# KiCad board Keyboard.kicad_pcb (continued)
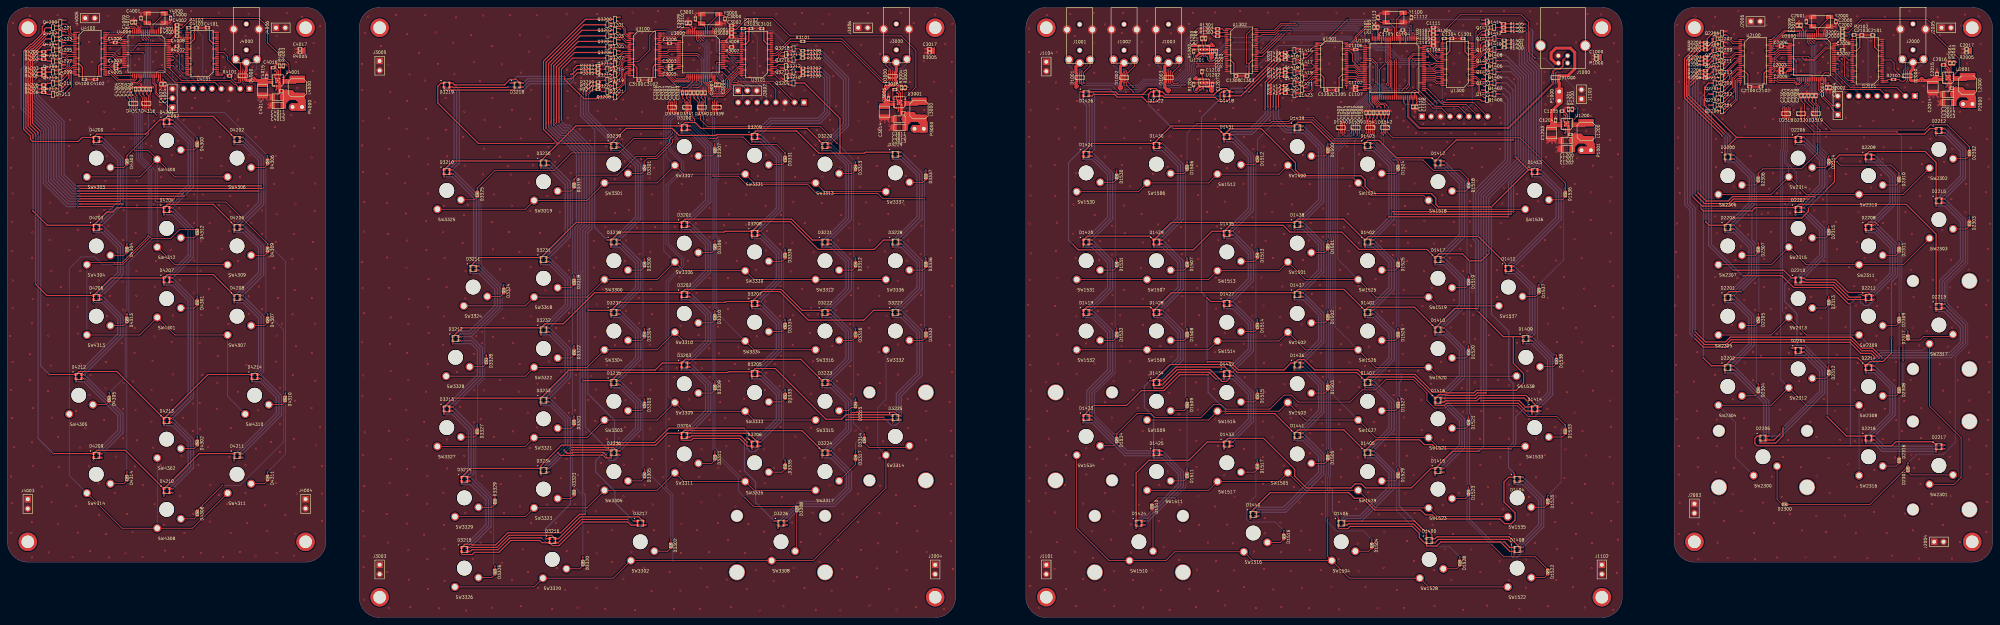
[diagram p0: board, top side]
## Placement (name value [footprint] x y rotation side) (continued)
J4005  Conn_01x02  [Pin_Header_Straight_1x02_Pitch2.54mm]  21.02 162.1 90 top
J4006  Conn_01x02  [Pin_Header_Straight_1x02_Pitch2.54mm]  72.5 159.5 90 top
L1200  2.2uH_5030  [L_Taiyo-Yuden_NR-50xx]  426.25 131.5 270 top
L2000  2.2uH_5030  [L_Taiyo-Yuden_NR-50xx]  529.25 144 270 top
L3000  2.2uH_5030  [L_Taiyo-Yuden_NR-50xx]  246.12 137.32 270 top
L4000  2.2uH_5030  [L_Taiyo-Yuden_NR-50xx]  78.25 143.25 270 top
P1000  Current-Probe  [Current-Probe-2.54]  419 142.27 0 top
P1001  Current-Probe  [Current-Probe-2.54]  427.55 126.38 270 top
P2000  Current-Probe  [Current-Probe-2.54]  530.54 138.88 270 top
P3000  Current-Probe  [Current-Probe-2.54]  247.44 132.18 270 top
P4000  Current-Probe  [Current-Probe-2.54]  79.55 138.07 270 top
Q1400  NTA4151P  [SC-75]  399.5 140.1 270 top
Q1401  NTA4151P  [SC-75]  401.5 141.6 270 top
Q1402  NTA4151P  [SC-75]  399.5 143.1 270 top
Q1403  NTA4151P  [SC-75]  401.5 144.6 270 top
Q1404  NTA4151P  [SC-75]  399.5 146.1 270 top
Q1405  NTA4151P  [SC-75]  401.5 147.6 270 top
Q1406  NTA4151P  [SC-75]  399.5 149.1 270 top
Q1407  NTA4151P  [SC-75]  401.5 150.6 270 top
Q1408  NTA4151P  [SC-75]  399.5 152.1 270 top
Q1409  NTA4153N  [SC-75]  401.5 153.6 270 top
Q1410  NTA4153N  [SC-75]  399.5 155.1 270 top
Q1411  NTA4153N  [SC-75]  401.5 156.6 270 top
Q1412  NTA4153N  [SC-75]  399.45 158.05 270 top
Q1413  NTA4153N  [SC-75]  401.45 159.55 270 top
Q1414  NTA4153N  [SC-75]  399.45 161.05 270 top
Q1415  NTA4153N  [SC-75]  347.5 153.35 90 top
Q1416  NTA4153N  [SC-75]  349.5 151.85 90 top
Q1417  NTA4153N  [SC-75]  347.5 150.35 90 top
Q1418  NTA4153N  [SC-75]  349.5 148.85 90 top
Q1419  NTA4153N  [SC-75]  347.5 147.35 90 top
Q1420  NTA4153N  [SC-75]  349.5 145.85 90 top
Q1421  NTA4153N  [SC-75]  347.5 144.35 90 top
Q1422  NTA4153N  [SC-75]  349.5 142.85 90 top
Q1423  NTA4153N  [SC-75]  347.5 141.35 90 top
Q2200  NTA4151P  [SC-75]  460.94 144.54 90 top
Q2201  NTA4151P  [SC-75]  462.94 143.04 90 top
Q2202  NTA4151P  [SC-75]  460.94 141.54 90 top
Q2203  NTA4151P  [SC-75]  462.94 140.04 90 top
Q2204  NTA4151P  [SC-75]  460.94 138.54 90 top
Q2205  NTA4151P  [SC-75]  462.94 137.04 90 top
Q2206  NTA4153N  [SC-75]  462.94 158.04 90 top
Q2207  NTA4153N  [SC-75]  460.94 156.54 90 top
Q2208  NTA4153N  [SC-75]  462.94 155.04 90 top
Q2209  NTA4153N  [SC-75]  460.94 153.54 90 top
Q2210  NTA4153N  [SC-75]  462.94 152.04 90 top
Q2211  NTA4153N  [SC-75]  460.94 150.54 90 top
Q2212  NTA4153N  [SC-75]  462.94 149.04 90 top
Q2213  NTA4153N  [SC-75]  460.94 147.54 90 top
Q2214  NTA4153N  [SC-75]  462.94 146.04 90 top
Q3200  NTA4151P  [SC-75]  164 161.8 90 top
Q3201  NTA4151P  [SC-75]  162 160.3 90 top
Q3202  NTA4151P  [SC-75]  164 158.8 90 top
Q3203  NTA4151P  [SC-75]  162 157.3 90 top
Q3204  NTA4151P  [SC-75]  164 155.8 90 top
Q3205  NTA4151P  [SC-75]  162 154.3 90 top
Q3206  NTA4151P  [SC-75]  164 152.8 90 top
Q3207  NTA4151P  [SC-75]  162 151.3 90 top
Q3208  NTA4151P  [SC-75]  164 140.8 90 top
Q3209  NTA4151P  [SC-75]  212.25 144.55 270 top
Q3210  NTA4153N  [SC-75]  210.25 146.05 270 top
Q3211  NTA4153N  [SC-75]  212.25 147.55 270 top
Q3212  NTA4153N  [SC-75]  210.25 149.05 270 top
Q3213  NTA4153N  [SC-75]  164 149.8 90 top
Q3214  NTA4153N  [SC-75]  162 148.3 90 top
Q3215  NTA4153N  [SC-75]  164 146.8 90 top
Q3216  NTA4153N  [SC-75]  212.25 150.8 270 top
Q3217  NTA4153N  [SC-75]  210.25 152.3 270 top
Q3218  NTA4153N  [SC-75]  212.25 153.8 270 top
Q3219  NTA4153N  [SC-75]  162 145.3 90 top
Q3220  NTA4153N  [SC-75]  164 143.8 90 top
Q3221  NTA4153N  [SC-75]  162 142.3 90 top
Q4200  NTA4151P  [SC-75]  14.3 161 90 top
Q4201  NTA4151P  [SC-75]  12.3 159.5 90 top
Q4202  NTA4151P  [SC-75]  14.3 158 90 top
Q4203  NTA4151P  [SC-75]  12.3 156.5 90 top
Q4204  NTA4151P  [SC-75]  14.3 155 90 top
Q4205  NTA4153N  [SC-75]  12.3 153.5 90 top
Q4206  NTA4153N  [SC-75]  14.3 152 90 top
Q4207  NTA4153N  [SC-75]  12.3 150.5 90 top
Q4208  NTA4153N  [SC-75]  14.3 149 90 top
Q4209  NTA4153N  [SC-75]  12.3 147.5 90 top
Q4210  NTA4153N  [SC-75]  14.3 146 90 top
Q4211  NTA4153N  [SC-75]  12.3 144.5 90 top
Q4212  NTA4153N  [SC-75]  14.3 143 90 top
Q4213  NTA4153N  [SC-75]  12.3 141.5 90 top
R1000  1.0MR  [R_0402]  429 151 180 top
R1100  10.0kR  [R_0402]  385 156.6 0 top
R1101  10.0kR  [R_0402]  385 157.6 180 top
R1102  0.0R  [R_0402]  385 158.6 180 top
R1200  71.5kR  [R_0402]  422.5 137.45 270 top
R1201  22.6kR  [R_0402]  421.5 137.45 90 top
R1202  10.0kR  [R_0402]  320.3 153.15 90 top
R1203  10.0kR  [R_0402]  326.4 153.15 90 top
R1204  10.0kR  [R_0402]  320.3 144.15 90 top
R1301  100R  [R_0402]  326.75 159.2 180 top
R1302  100R  [R_0402]  326.75 158.2 180 top
R1303  100R  [R_0402]  326.75 157.2 180 top
R1304  10.0kR  [R_0402]  387.98 156.6 180 top
R1400  78.7R  [R_0402]  404.15 154.1 180 top
R1401  300R  [R_0402]  404.15 155.1 180 top
R1402  127R  [R_0402]  404.15 156.1 180 top
R1403  78.7R  [R_0402]  403.95 158.55 180 top
R1404  300R  [R_0402]  403.95 159.55 180 top
R1405  127R  [R_0402]  403.95 160.55 180 top
R1406  78.7R  [R_0402]  345 152.85 0 top
R1407  300R  [R_0402]  345 151.85 0 top
R1408  127R  [R_0402]  345 150.85 0 top
R1409  78.7R  [R_0402]  345 148.35 0 top
R1410  300R  [R_0402]  345 147.35 0 top
R1411  127R  [R_0402]  345 146.35 0 top
R1412  78.7R  [R_0402]  345 143.85 0 top
R1413  300R  [R_0402]  345 142.85 0 top
R1414  127R  [R_0402]  345 141.85 0 top
R2000  10.0kR  [R_0402]  495.44 157.29 180 top
R2001  0.0R  [R_0402]  495.44 158.29 180 top
R2002  10.0kR  [R_0402]  495.44 153.54 180 top
R2003  71.5kR  [R_0402]  525.5 149.95 270 top
R2004  22.6kR  [R_0402]  524.5 149.95 90 top
R2005  1.0MR  [R_0402]  529 152.75 180 top
R2101  100R  [R_0402]  509.25 145.5 0 top
R2102  10.0kR  [R_0402]  498.62 157.54 180 top
R2200  78.7R  [R_0402]  458.44 155.54 0 top
R2201  300R  [R_0402]  458.44 154.54 0 top
R2202  127R  [R_0402]  458.44 153.54 0 top
R2203  78.7R  [R_0402]  458.44 151.54 0 top
R2204  300R  [R_0402]  458.44 150.54 0 top
R2205  127R  [R_0402]  458.44 149.54 0 top
R2206  78.7R  [R_0402]  458.44 147.94 0 top
R2207  300R  [R_0402]  458.44 146.94 0 top
R2208  127R  [R_0402]  458.44 145.94 0 top
R3000  10.0kR  [R_0402]  195.5 158.05 180 top
R3001  0.0R  [R_0402]  195.5 159.05 180 top
R3002  10.0kR  [R_0402]  195.5 154.3 180 top
R3003  71.5kR  [R_0402]  242.38 143.28 270 top
R3004  22.6kR  [R_0402]  241.38 143.28 90 top
R3005  1.0MR  [R_0402]  249 152.75 180 top
R3101  100R  [R_0402]  214.75 155.8 0 top
R3102  10.0kR  [R_0402]  198.68 159.3 180 top
R3200  78.7R  [R_0402]  214.8 146.55 180 top
R3201  300R  [R_0402]  214.8 147.55 180 top
R3202  127R  [R_0402]  214.8 148.55 180 top
R3203  78.7R  [R_0402]  159.45 149.3 0 top
R3204  300R  [R_0402]  159.45 148.3 0 top
R3205  127R  [R_0402]  159.45 147.3 0 top
R3206  78.7R  [R_0402]  214.75 151.3 180 top
R3207  300R  [R_0402]  214.75 152.3 180 top
R3208  127R  [R_0402]  214.75 153.3 180 top
R3209  78.7R  [R_0402]  159.45 144.8 0 top
R3210  300R  [R_0402]  159.45 143.8 0 top
R3211  127R  [R_0402]  159.45 142.8 0 top
R4000  10.0kR  [R_0402]  45.8 158.25 180 top
R4001  0.0R  [R_0402]  45.8 159.25 180 top
R4002  10.0kR  [R_0402]  45.8 154.5 180 top
R4003  71.5kR  [R_0402]  74.5 149.2 270 top
R4004  22.6kR  [R_0402]  73.5 149.2 90 top
R4005  1.0MR  [R_0402]  79 152.8 180 top
R4101  100R  [R_0402]  60 146.5 0 top
R4102  10.0kR  [R_0402]  48.97 159.5 180 top
R4200  78.7R  [R_0402]  9.8 153 0 top
R4201  300R  [R_0402]  9.8 152 0 top
R4202  127R  [R_0402]  9.8 151 0 top
R4203  78.7R  [R_0402]  9.8 148.5 0 top
R4204  300R  [R_0402]  9.8 147.5 0 top
R4205  127R  [R_0402]  9.8 146.5 0 top
R4206  78.7R  [R_0402]  9.8 144 0 top
R4207  300R  [R_0402]  9.8 143 0 top
R4208  127R  [R_0402]  9.8 142 0 top
SW1500  SW_Cherry_MX_RGB  [SW_Cherry_MX1A_RGB]  348.25 127.38 180 top
SW1501  SW_Cherry_MX_RGB  [SW_Cherry_MX1A_RGB]  348.25 101.25 180 top
SW1502  SW_Cherry_MX_RGB  [SW_Cherry_MX1A_RGB]  348.25 82.25 180 top
SW1503  SW_Cherry_MX_RGB  [SW_Cherry_MX1A_RGB]  348.25 63.25 180 top
SW1504  SW_Cherry_MX_RGB  [SW_Cherry_MX1A_RGB]  360.12 20.5 180 top
SW1505  SW_Cherry_MX_RGB  [SW_Cherry_MX1A_RGB]  348.25 44.25 180 top
SW1506  SW_Cherry_MX_RGB  [SW_Cherry_MX1A_RGB]  310.25 122.62 180 top
SW1507  SW_Cherry_MX_RGB  [SW_Cherry_MX1A_RGB]  310.25 96.5 180 top
SW1508  SW_Cherry_MX_RGB  [SW_Cherry_MX1A_RGB]  310.25 77.5 180 top
SW1509  SW_Cherry_MX_RGB  [SW_Cherry_MX1A_RGB]  310.25 58.5 180 top
SW1510  SW_Cherry_MX_RGB  [SW_Cherry_MX1A_RGB]  305.5 20.5 180 top
SW1511  SW_Cherry_MX_RGB  [SW_Cherry_MX1A_RGB]  310.25 39.5 180 top
SW1512  SW_Cherry_MX_RGB  [SW_Cherry_MX1A_RGB]  329.25 125 180 top
SW1513  SW_Cherry_MX_RGB  [SW_Cherry_MX1A_RGB]  329.25 98.88 180 top
SW1514  SW_Cherry_MX_RGB  [SW_Cherry_MX1A_RGB]  329.25 79.88 180 top
SW1515  SW_Cherry_MX_RGB  [SW_Cherry_MX1A_RGB]  329.25 60.88 180 top
SW1516  SW_Cherry_MX_RGB  [SW_Cherry_MX1A_RGB]  336.38 22.88 180 top
SW1517  SW_Cherry_MX_RGB  [SW_Cherry_MX1A_RGB]  329.25 41.88 180 top
SW1518  SW_Cherry_MX_RGB  [SW_Cherry_MX1A_RGB]  386.25 117.88 180 top
SW1519  SW_Cherry_MX_RGB  [SW_Cherry_MX1A_RGB]  386.25 91.75 180 top
SW1520  SW_Cherry_MX_RGB  [SW_Cherry_MX1A_RGB]  386.25 72.75 180 top
SW1521  SW_Cherry_MX_RGB  [SW_Cherry_MX1A_RGB]  386.25 53.75 180 top
SW1522  SW_Cherry_MX_RGB  [SW_Cherry_MX1A_RGB]  407.62 13.38 180 top
SW1523  SW_Cherry_MX_RGB  [SW_Cherry_MX1A_RGB]  386.25 34.75 180 top
SW1524  SW_Cherry_MX_RGB  [SW_Cherry_MX1A_RGB]  367.25 122.62 180 top
SW1525  SW_Cherry_MX_RGB  [SW_Cherry_MX1A_RGB]  367.25 96.5 180 top
SW1526  SW_Cherry_MX_RGB  [SW_Cherry_MX1A_RGB]  367.25 77.5 180 top
SW1527  SW_Cherry_MX_RGB  [SW_Cherry_MX1A_RGB]  367.25 58.5 180 top
SW1528  SW_Cherry_MX_RGB  [SW_Cherry_MX1A_RGB]  383.88 15.75 180 top
SW1529  SW_Cherry_MX_RGB  [SW_Cherry_MX1A_RGB]  367.25 39.5 180 top
SW1530  SW_Cherry_MX_RGB  [SW_Cherry_MX1A_RGB]  291.25 120.25 180 top
SW1531  SW_Cherry_MX_RGB  [SW_Cherry_MX1A_RGB]  291.25 96.5 180 top
SW1532  SW_Cherry_MX_RGB  [SW_Cherry_MX1A_RGB]  291.25 77.5 180 top
SW1533  SW_Cherry_MX_RGB  [SW_Cherry_MX1A_RGB]  412.38 51.38 180 top
SW1534  SW_Cherry_MX_RGB  [SW_Cherry_MX1A_RGB]  291.25 49 180 top
SW1535  SW_Cherry_MX_RGB  [SW_Cherry_MX1A_RGB]  407.62 32.38 180 top
SW1536  SW_Cherry_MX_RGB  [SW_Cherry_MX1A_RGB]  412.38 115.5 180 top
SW1537  SW_Cherry_MX_RGB  [SW_Cherry_MX1A_RGB]  405.25 89.38 180 top
SW1538  SW_Cherry_MX_RGB  [SW_Cherry_MX1A_RGB]  410 70.38 180 top
SW2300  SW_Cherry_MX_RGB  [SW_Cherry_MX1A_RGB]  474 43.5 180 top
SW2301  SW_Cherry_MX_RGB  [SW_Cherry_MX1A_RGB]  521.5 41.12 180 top
SW2302  SW_Cherry_MX_RGB  [SW_Cherry_MX1A_RGB]  521.5 126.62 180 top
SW2303  SW_Cherry_MX_RGB  [SW_Cherry_MX1A_RGB]  521.5 107.62 180 top
SW2304  SW_Cherry_MX_RGB  [SW_Cherry_MX1A_RGB]  464.5 62.5 180 top
SW2305  SW_Cherry_MX_RGB  [SW_Cherry_MX1A_RGB]  464.5 81.5 180 top
SW2306  SW_Cherry_MX_RGB  [SW_Cherry_MX1A_RGB]  464.5 119.5 180 top
SW2307  SW_Cherry_MX_RGB  [SW_Cherry_MX1A_RGB]  464.5 100.5 180 top
SW2308  SW_Cherry_MX_RGB  [SW_Cherry_MX1A_RGB]  502.5 62.5 180 top
SW2309  SW_Cherry_MX_RGB  [SW_Cherry_MX1A_RGB]  502.5 81.5 180 top
SW2310  SW_Cherry_MX_RGB  [SW_Cherry_MX1A_RGB]  502.5 119.5 180 top
SW2311  SW_Cherry_MX_RGB  [SW_Cherry_MX1A_RGB]  502.5 100.5 180 top
SW2312  SW_Cherry_MX_RGB  [SW_Cherry_MX1A_RGB]  483.5 67.25 180 top
SW2313  SW_Cherry_MX_RGB  [SW_Cherry_MX1A_RGB]  483.5 86.25 180 top
SW2314  SW_Cherry_MX_RGB  [SW_Cherry_MX1A_RGB]  483.5 124.25 180 top
SW2315  SW_Cherry_MX_RGB  [SW_Cherry_MX1A_RGB]  483.5 105.25 180 top
SW2316  SW_Cherry_MX_RGB  [SW_Cherry_MX1A_RGB]  502.5 43.5 180 top
SW2317  SW_Cherry_MX_RGB  [SW_Cherry_MX1A_RGB]  521.5 79.12 180 top
SW3300  SW_Cherry_MX_RGB  [SW_Cherry_MX1A_RGB]  163.75 96.5 180 top
SW3301  SW_Cherry_MX_RGB  [SW_Cherry_MX1A_RGB]  163.75 122.62 180 top
SW3302  SW_Cherry_MX_RGB  [SW_Cherry_MX1A_RGB]  170.88 20.5 180 top
SW3303  SW_Cherry_MX_RGB  [SW_Cherry_MX1A_RGB]  163.75 58.5 180 top
SW3304  SW_Cherry_MX_RGB  [SW_Cherry_MX1A_RGB]  163.75 77.5 180 top
SW3305  SW_Cherry_MX_RGB  [SW_Cherry_MX1A_RGB]  163.75 39.5 180 top
SW3306  SW_Cherry_MX_RGB  [SW_Cherry_MX1A_RGB]  182.75 101.25 180 top
SW3307  SW_Cherry_MX_RGB  [SW_Cherry_MX1A_RGB]  182.75 127.38 180 top
SW3308  SW_Cherry_MX_RGB  [SW_Cherry_MX1A_RGB]  208.88 20.5 180 top
SW3309  SW_Cherry_MX_RGB  [SW_Cherry_MX1A_RGB]  182.75 63.25 180 top
SW3310  SW_Cherry_MX_RGB  [SW_Cherry_MX1A_RGB]  182.75 82.25 180 top
SW3311  SW_Cherry_MX_RGB  [SW_Cherry_MX1A_RGB]  182.75 44.25 180 top
SW3312  SW_Cherry_MX_RGB  [SW_Cherry_MX1A_RGB]  220.75 96.5 180 top
SW3313  SW_Cherry_MX_RGB  [SW_Cherry_MX1A_RGB]  220.75 122.62 180 top
SW3314  SW_Cherry_MX_RGB  [SW_Cherry_MX1A_RGB]  239.75 49 180 top
SW3315  SW_Cherry_MX_RGB  [SW_Cherry_MX1A_RGB]  220.75 58.5 180 top
SW3316  SW_Cherry_MX_RGB  [SW_Cherry_MX1A_RGB]  220.75 77.5 180 top
SW3317  SW_Cherry_MX_RGB  [SW_Cherry_MX1A_RGB]  220.75 39.5 180 top
SW3318  SW_Cherry_MX_RGB  [SW_Cherry_MX1A_RGB]  144.75 91.75 180 top
SW3319  SW_Cherry_MX_RGB  [SW_Cherry_MX1A_RGB]  144.75 117.88 180 top
SW3320  SW_Cherry_MX_RGB  [SW_Cherry_MX1A_RGB]  147.12 15.75 180 top
SW3321  SW_Cherry_MX_RGB  [SW_Cherry_MX1A_RGB]  144.75 53.75 180 top
SW3322  SW_Cherry_MX_RGB  [SW_Cherry_MX1A_RGB]  144.75 72.75 180 top
SW3323  SW_Cherry_MX_RGB  [SW_Cherry_MX1A_RGB]  144.75 34.75 180 top
SW3324  SW_Cherry_MX_RGB  [SW_Cherry_MX1A_RGB]  125.75 89.38 180 top
SW3325  SW_Cherry_MX_RGB  [SW_Cherry_MX1A_RGB]  118.62 115.5 180 top
SW3326  SW_Cherry_MX_RGB  [SW_Cherry_MX1A_RGB]  123.38 13.38 180 top
SW3327  SW_Cherry_MX_RGB  [SW_Cherry_MX1A_RGB]  118.62 51.38 180 top
SW3328  SW_Cherry_MX_RGB  [SW_Cherry_MX1A_RGB]  121 70.38 180 top
SW3329  SW_Cherry_MX_RGB  [SW_Cherry_MX1A_RGB]  123.38 32.38 180 top
SW3330  SW_Cherry_MX_RGB  [SW_Cherry_MX1A_RGB]  201.75 98.88 180 top
SW3331  SW_Cherry_MX_RGB  [SW_Cherry_MX1A_RGB]  201.75 125 180 top
SW3332  SW_Cherry_MX_RGB  [SW_Cherry_MX1A_RGB]  239.75 77.5 180 top
SW3333  SW_Cherry_MX_RGB  [SW_Cherry_MX1A_RGB]  201.75 60.88 180 top
SW3334  SW_Cherry_MX_RGB  [SW_Cherry_MX1A_RGB]  201.75 79.88 180 top
SW3335  SW_Cherry_MX_RGB  [SW_Cherry_MX1A_RGB]  201.75 41.88 180 top
SW3336  SW_Cherry_MX_RGB  [SW_Cherry_MX1A_RGB]  239.75 96.5 180 top
SW3337  SW_Cherry_MX_RGB  [SW_Cherry_MX1A_RGB]  239.75 120.25 180 top
SW4300  SW_Cherry_MX_RGB  [SW_Cherry_MX1A_RGB]  43 129 180 top
SW4301  SW_Cherry_MX_RGB  [SW_Cherry_MX1A_RGB]  43 86.25 180 top
SW4302  SW_Cherry_MX_RGB  [SW_Cherry_MX1A_RGB]  43 48.25 180 top
SW4303  SW_Cherry_MX_RGB  [SW_Cherry_MX1A_RGB]  24 124.25 180 top
SW4304  SW_Cherry_MX_RGB  [SW_Cherry_MX1A_RGB]  24 100.5 180 top
SW4305  SW_Cherry_MX_RGB  [SW_Cherry_MX1A_RGB]  19.25 60.12 180 top
SW4306  SW_Cherry_MX_RGB  [SW_Cherry_MX1A_RGB]  62 124.25 180 top
SW4307  SW_Cherry_MX_RGB  [SW_Cherry_MX1A_RGB]  62 81.5 180 top
SW4308  SW_Cherry_MX_RGB  [SW_Cherry_MX1A_RGB]  43 29.25 180 top
SW4309  SW_Cherry_MX_RGB  [SW_Cherry_MX1A_RGB]  62 100.5 180 top
SW4310  SW_Cherry_MX_RGB  [SW_Cherry_MX1A_RGB]  66.75 60.12 180 top
SW4311  SW_Cherry_MX_RGB  [SW_Cherry_MX1A_RGB]  62 38.75 180 top
SW4312  SW_Cherry_MX_RGB  [SW_Cherry_MX1A_RGB]  43 105.25 180 top
SW4313  SW_Cherry_MX_RGB  [SW_Cherry_MX1A_RGB]  24 81.5 180 top
SW4314  SW_Cherry_MX_RGB  [SW_Cherry_MX1A_RGB]  24 38.75 180 top
U1100  STM32F401XX-LQFP100  [LQFP-100]  374.5 148.6 0 top
U1200  TLV62150A  [VQFN16-RGT]  421 133.5 180 top
U1201  TPS22976  [WSON-14]  323 153.6 0 top
U1202  TPS22976  [WSON-14]  323 144.6 0 top
U1300  SN74LVCH16T245  [TSSOP48-DGG]  391.5 149.6 90 top
U1301  SN74LVCH16T245  [TSSOP48-DGG]  357.5 149.6 270 top
U1302  SN74LVCH16T245  [TSSOP48-DGG]  333.2 153.45 270 top
U2000  STM32F401XX-LQFP64  [LQFP-64]  487.19 151.54 0 top
U2001  TLV62150A  [VQFN16-RGT]  524 146 180 top
U2100  SN74LVCH16T245  [TSSOP48-DGG]  471.94 150.54 270 top
U2101  SN74LVCH16T245  [TSSOP48-DGG]  502.19 150.54 90 top
U3000  STM32F401XX-LQFP64  [LQFP-64]  187.25 152.3 0 top
U3001  TLV62150A  [VQFN16-RGT]  240.88 139.32 180 top
U3100  SN74LVCH16T245  [TSSOP48-DGG]  172 152.3 270 top
U3101  SN74LVCH16T245  [TSSOP48-DGG]  202.25 152.3 90 top
U4000  STM32F401XX-LQFP64  [LQFP-64]  37.55 152.5 0 top
U4001  TLV62150A  [VQFN16-RGT]  73 145.25 180 top
U4100  SN74LVCH16T245  [TSSOP48-DGG]  22.3 152.5 270 top
U4101  SN74LVCH16T245  [TSSOP48-DGG]  52.55 152.5 90 top
X1000  -  [Mounting-Hole-M3]  280.5 159.5 0 top
X1001  -  [Mounting-Hole-M3]  430.5 159.5 0 top
X1002  -  [Mounting-Hole-M3]  430.5 5.5 0 top
X1003  -  [Mounting-Hole-M3]  280.5 5.5 0 top
X1004  Distance-Bolt_M3x5  [DistanceBolt-6x3.5]  280.5 159.5 0 top
X1005  Distance-Bolt_M3x5  [DistanceBolt-6x3.5]  430.5 159.5 0 top
X1006  Distance-Bolt_M3x5  [DistanceBolt-6x3.5]  430.5 5.5 0 top
X1007  Distance-Bolt_M3x5  [DistanceBolt-6x3.5]  280.5 5.5 0 top
X1400  Lightpipe-5x5mm-Dome  [Lightpipe-51513530188F]  291.25 141.62 0 top
X1401  Lightpipe-5x5mm-Dome  [Lightpipe-51513530188F]  310.25 141.62 0 top
X1402  Lightpipe-5x5mm-Dome  [Lightpipe-51513530188F]  329.25 141.62 0 top
X1500  -  [Keycap-R1-1x1]  310.25 96.5 0 top
X1501  -  [Keycap-R1-1x1]  386.25 117.88 0 top
X1502  -  [Keycap-R1-1x1]  329.25 98.88 0 top
X1503  -  [Keycap-R1-1x1]  386.25 72.75 0 top
X1504  -  [Keycap-R1-1x1]  386.25 53.75 0 top
X1505  -  [Keycap-R1-1x1]  386.25 34.75 0 top
X1506  -  [Keycap-R1-1x1]  329.25 60.88 0 top
X1507  -  [Keycap-R1-1x1]  310.25 122.62 0 top
X1508  -  [Keycap-R1-1x1]  367.25 39.5 0 top
X1509  -  [Keycap-R1-1x1]  291.25 120.25 0 top
X1510  -  [Keycap-R1-1x1]  291.25 77.5 0 top
X1511  -  [Keycap-R1-1x1]  310.25 58.5 0 top
X1512  -  [Keycap-R1-1x1]  367.25 58.5 0 top
X1513  -  [Keycap-R1-1x1]  348.25 127.38 0 top
X1514  -  [Keycap-R1-1x1]  367.25 77.5 0 top
X1515  -  [Keycap-R1-1x1]  348.25 44.25 0 top
X1516  -  [Keycap-R1-1x1]  329.25 41.88 0 top
X1517  -  [Keycap-R1-1x1]  348.25 63.25 0 top
X1518  -  [Keycap-R1-1x1]  329.25 125 0 top
X1519  -  [Keycap-R1-1.5x1]  410 70.38 0 top
X1520  -  [Keycap-R1-1x1]  367.25 122.62 0 top
X1521  -  [Keycap-R1-1x1]  405.25 89.38 0 top
X1522  -  [Keycap-R1-1x1]  367.25 96.5 0 top
X1523  -  [Keycap-R1-1x1]  386.25 91.75 0 top
X1524  -  [Keycap-R1-1x1]  291.25 96.5 0 top
X1526  -  [Keycap-R1-1.75x1]  412.38 51.38 0 top
X1527  -  [Keycap-R1-2x1]  291.25 49 270 top
X1528  -  [Keycap-R1-1x1]  348.25 101.25 0 top
X1529  -  [Keycap-R1-1x1]  310.25 77.5 0 top
X1530  -  [Keycap-R1-1x1]  310.25 39.5 0 top
X1531  -  [Keycap-R1-1x1]  329.25 79.88 0 top
X1532  -  [Keycap-R1-1x1]  348.25 82.25 0 top
X1534  -  [Keycap-R1-1.25x1]  383.88 15.75 0 top
X1535  -  [Keycap-R1-2x1]  305.5 20.5 0 top
X1536  -  [Keycap-R1-1.25x1]  407.62 32.38 0 top
X1538  -  [Keycap-R1-1.25x1]  360.12 20.5 0 top
X1539  -  [Keycap-R1-1.25x1]  407.62 13.38 0 top
X1540  -  [Keycap-R1-1.25x1]  336.38 22.88 0 top
X1541  STAB-0G990224  [STAB-G99-0224]  305.5 20.5 0 top
X1542  STAB-0G990224  [STAB-G99-0224]  291.25 49 270 top
X1543  -  [Keycap-R1-1x1]  412.38 115.5 0 top
X2000  -  [Mounting-Hole-M3]  455.5 159.5 0 top
X2001  -  [Mounting-Hole-M3]  530.5 159.5 0 top
X2002  -  [Mounting-Hole-M3]  530.5 20.5 0 top
X2003  -  [Mounting-Hole-M3]  455.5 20.5 0 top
X2004  Distance-Bolt_M3x5  [DistanceBolt-6x3.5]  455.5 159.5 0 top
X2005  Distance-Bolt_M3x5  [DistanceBolt-6x3.5]  530.5 159.5 0 top
X2006  Distance-Bolt_M3x5  [DistanceBolt-6x3.5]  530.5 20.5 0 top
X2007  Distance-Bolt_M3x5  [DistanceBolt-6x3.5]  455.5 20.5 0 top
X2300  STAB-0G990224  [STAB-G99-0224]  521.5 79.12 90 top
X2301  STAB-0G990224  [STAB-G99-0224]  474 43.5 0 top
X2302  STAB-0G990224  [STAB-G99-0224]  521.5 41.12 90 top
X2303  -  [Keycap-R1-1x1]  464.5 119.5 0 top
X2304  -  [Keycap-R1-1x1]  464.5 81.5 0 top
X2305  -  [Keycap-R1-1x1]  483.5 124.25 0 top
X2306  -  [Keycap-R1-1x1]  464.5 100.5 0 top
X2307  -  [Keycap-R1-1x1]  521.5 126.62 0 top
X2308  -  [Keycap-R1-1x1]  464.5 62.5 0 top
X2309  -  [Keycap-R1-1x1]  521.5 107.62 0 top
X2310  -  [Keycap-R1-1x1]  483.5 86.25 0 top
X2311  -  [Keycap-R1-2x1]  474 43.5 0 top
X2312  -  [Keycap-R1-1x1]  502.5 119.5 0 top
X2313  -  [Keycap-R1-1x1]  483.5 67.25 0 top
X2314  -  [Keycap-R1-1x1]  483.5 105.25 0 top
X2315  -  [Keycap-R1-1x1]  502.5 81.5 0 top
X2316  -  [Keycap-R1-1x1]  502.5 43.5 0 top
X2317  -  [Keycap-R1-1x1]  502.5 62.5 0 top
X2318  -  [Keycap-R1-2x1]  521.5 41.12 270 top
X2319  -  [Keycap-R1-2x1]  521.5 79.12 270 top
X2320  -  [Keycap-R1-1x1]  502.5 100.5 0 top
X3000  -  [Mounting-Hole-M3]  100.5 159.5 0 top
X3001  -  [Mounting-Hole-M3]  250.5 159.5 0 top
X3002  -  [Mounting-Hole-M3]  250.5 5.5 0 top
X3003  -  [Mounting-Hole-M3]  100.5 5.5 0 top
X3004  Distance-Bolt_M3x5  [DistanceBolt-6x3.5]  100.5 159.5 0 top
X3005  Distance-Bolt_M3x5  [DistanceBolt-6x3.5]  250.5 159.5 0 top
X3006  Distance-Bolt_M3x5  [DistanceBolt-6x3.5]  250.5 5.5 0 top
X3007  Distance-Bolt_M3x5  [DistanceBolt-6x3.5]  100.5 5.5 0 top
X3200  Lightpipe-5x5mm-Dome  [Lightpipe-51513530188F]  118.62 144 0 top
X3201  Lightpipe-5x5mm-Dome  [Lightpipe-51513530188F]  137.62 144 0 top
X3300  -  [Keycap-R1-1x1]  118.62 115.5 0 top
X3301  -  [Keycap-R1-1x1]  163.75 39.5 0 top
X3302  -  [Keycap-R1-1x1]  163.75 122.62 0 top
X3303  -  [Keycap-R1-1x1]  163.75 96.5 0 top
X3304  -  [Keycap-R1-1x1]  144.75 91.75 0 top
X3305  -  [Keycap-R1-1x1]  220.75 96.5 0 top
X3306  -  [Keycap-R1-1x1]  163.75 58.5 0 top
X3307  -  [Keycap-R1-1x1]  144.75 53.75 0 top
X3308  -  [Keycap-R1-1x1]  201.75 41.88 0 top
X3309  -  [Keycap-R1-1x1]  144.75 72.75 0 top
X3310  -  [Keycap-R1-1x1]  182.75 101.25 0 top
X3311  -  [Keycap-R1-1x1]  220.75 39.5 0 top
X3312  -  [Keycap-R1-1x1]  144.75 34.75 0 top
X3313  -  [Keycap-R1-1.5x1]  121 70.38 0 top
X3314  -  [Keycap-R1-1x1]  220.75 77.5 0 top
X3315  -  [Keycap-R1-1x1]  182.75 44.25 0 top
X3316  -  [Keycap-R1-1x1]  125.75 89.38 0 top
X3317  -  [Keycap-R1-1x1]  163.75 77.5 0 top
X3318  -  [Keycap-R1-1x1]  201.75 60.88 0 top
X3319  -  [Keycap-R1-1.75x1]  118.62 51.38 0 top
X3320  -  [Keycap-R1-1x1]  201.75 125 0 top
X3321  -  [Keycap-R1-1x1]  201.75 98.88 0 top
X3322  -  [Keycap-R1-1x1]  220.75 122.62 0 top
X3323  -  [Keycap-R1-1x1]  182.75 82.25 0 top
X3324  -  [Keycap-R1-1x1]  144.75 117.88 0 top
X3325  -  [Keycap-R1-2x1]  239.75 49 90 top
X3326  -  [Keycap-R1-1.25x1]  123.38 13.38 0 top
X3327  -  [Keycap-R1-1x1]  201.75 79.88 0 top
X3328  -  [Keycap-R1-1x1]  182.75 127.38 0 top
X3329  -  [Keycap-R1-1x1]  182.75 63.25 0 top
X3330  -  [Keycap-R1-1x1]  239.75 120.25 0 top
X3331  -  [Keycap-R1-1x1]  220.75 58.5 0 top
X3332  -  [Keycap-R1-1.25x1]  147.12 15.75 0 top
X3333  -  [Keycap-R1-1.25x1]  123.38 32.38 0 top
X3334  -  [Keycap-R1-1.25x1]  170.88 20.5 0 top
X3335  -  [Keycap-R1-2.75x1]  208.88 20.5 0 top
X3336  -  [Keycap-R1-1x1]  239.75 96.5 0 top
X3337  -  [Keycap-R1-1x1]  239.75 77.5 0 top
X3338  STAB-0G990224  [STAB-G99-0224]  239.75 49 90 top
X3339  STAB-0G990224  [STAB-G99-0224]  208.88 20.5 0 top
X4000  -  [Mounting-Hole-M3]  5.5 159.5 0 top
X4001  -  [Mounting-Hole-M3]  80.5 159.5 0 top
X4002  -  [Mounting-Hole-M3]  80.5 20.5 0 top
X4003  -  [Mounting-Hole-M3]  5.5 20.5 0 top
X4004  Distance-Bolt_M3x5  [DistanceBolt-6x3.5]  5.5 159.5 0 top
X4005  Distance-Bolt_M3x5  [DistanceBolt-6x3.5]  80.5 159.5 0 top
X4006  Distance-Bolt_M3x5  [DistanceBolt-6x3.5]  80.5 20.5 0 top
X4007  Distance-Bolt_M3x5  [DistanceBolt-6x3.5]  5.5 20.5 0 top
X4300  -  [Keycap-R1-1x1]  43 129 0 top
X4301  -  [Keycap-R1-1x1]  62 124.25 0 top
X4302  -  [Keycap-R1-1x1]  24 100.5 0 top
X4303  -  [Keycap-R1-1x1]  43 105.25 0 top
X4304  -  [Keycap-R1-1x1]  62 100.5 0 top
X4305  -  [Keycap-R1-1x1]  24 81.5 0 top
X4306  -  [Keycap-R1-1x1]  43 86.25 0 top
X4307  -  [Keycap-R1-1x1]  62 81.5 0 top
X4308  -  [Keycap-R1-1x1]  24 38.75 0 top
X4309  -  [Keycap-R1-1x1]  66.75 60.12 0 top
X4310  -  [Keycap-R1-1x1]  43 48.25 0 top
X4311  -  [Keycap-R1-1x1]  24 124.25 0 top
X4312  -  [Keycap-R1-1x1]  43 29.25 0 top
X4313  -  [Keycap-R1-1x1]  62 38.75 0 top
X4314  -  [Keycap-R1-1x1]  19.25 60.12 0 top
Y1100  MCSJK-7I-8.00-18-30-60-B-30  [Crystal_SMD_Multicomp_5032]  374.55 162.25 180 top
Y2000  MCSJK-7I-8.00-18-30-60-B-30  [Crystal_SMD_Multicomp_5032]  489.69 161.14 0 top
Y3000  MCSJK-7I-8.00-18-30-60-B-30  [Crystal_SMD_Multicomp_5032]  189.75 161.9 0 top
Y4000  MCSJK-7I-8.00-18-30-60-B-30  [Crystal_SMD_Multicomp_5032]  40.05 162.1 0 top

## Library data of the parts
C1000 C2017 C3017 C4017 = -: Datasheet: 810-CGA2B2X7R1H472K; mouser#: 810-CGA2B2X7R1H472K; ki_fp_filters: C_*
C1100 C2009 C3009 C4009 = -: Datasheet: 81-GRM152R60J105ME5D; mouser#: 81-GRM152R60J105ME5D; ki_fp_filters: C_*
C1101 C1104-C1109 C1111 C1200 C1204 C1206 C1207 C1300-C1305 C2002 C2005-C2008 C2010 C2011 C2015 C2100-C2103 C3002 C3005-C3008 C3010 C3011 C3015 C3100-C3103 C4002 C4005-C4008 C4010 C4011 C4015 C4100-C4103 = -: Datasheet: 80-C0402C104K4R; mouser#: 80-C0402C104K4R; ki_fp_filters: C_*
C1102 C1110 C2003 C3003 C4003 = -: Datasheet: 81-GRM155R60J225ME9D; mouser#: 81-GRM155R60J225ME9D; ki_fp_filters: C_*
C1103 C2004 C3004 C4004 = -: Datasheet: 81-GRM155R60J475ME7D; mouser#: 81-GRM155R60J475ME7D; ki_fp_filters: C_*
C1112 C1113 C2000 C2001 C3000 C3001 C4000 C4001 = -: Datasheet: 81-GRM1555C1H180FA1D; mouser#: 81-GRM1555C1H180FA1D; ki_fp_filters: C_*
C1201 C1202 C2012 C2013 C3012 C3013 C4012 C4013 = -: Datasheet: 80-C1206C106K4P; mouser#: 80-C1206C106K4P; ki_fp_filters: C_*
C1203 C2014 C3014 C4014 = -: Datasheet: 963-GMK325BJ106KN-T; mouser#: 963-GMK325BJ106KN-T; ki_fp_filters: C_*
C1205 C2016 C3016 C4016 = -: Datasheet: 81-GRM155R71H391KA1D; mouser#: 81-GRM155R71H391KA1D; ki_fp_filters: C_*
C1208-C1210 = -: Datasheet: 603-CC0402KRX5R8BB10; mouser#: 603-CC0402KRX5R8BB10; ki_fp_filters: C_*
C1500-C1506 C2300-C2304 C3300-C3306 C4300-C4304 = -: Datasheet: https://www.mouser.de/datasheet/2/281/1/GRM0335C1H221JA01_01A-1980773.pdf; manf#: GRM0335C1H221JA01D; mouser#: 81-GRM0335C1H221JA1D; ki_fp_filters: C_*
D1000-D1003 D1539-D1542 D2000 D2318-D2320 D3000 D3338-D3341 D4000 D4316 D4317 = -: Datasheet: https://www.ti.com/lit/gpn/tpd4e02b04; mouser#: 595-TPD4E02B04DQAR
D1400-D1441 D2200-D2217 D3200-D3239 D4200-D4214 = -: Datasheet: http://www.kingbrightusa.com/images/catalog/SPEC/APTF1616LSEEZGKQBKC.pdf; mouser#: 604-APTF1616LSEEZGKQ
D1500-D1538 D2300-D2317 D3300-D3337 D4300-D4314 = -: Datasheet: 750-CDSUR4148; mouser#: 750-CDSUR4148; ki_fp_filters: TO-???* *SingleDiode *_Diode_* *SingleDiode* D_*
J1000 = -: Datasheet: https://katalog.we-online.de/em/datasheet/61400416121.pdf; ki_fp_filters: USB*
J1001-J1003 J2000 J3000 J4000 = -: Datasheet: https://cdn-reichelt.de/documents/datenblatt/C160/4%20POLE%20JACKS.pdf; reichelt#: CLIFF FC68125
J1100 J2001 J3001 J4001 = -: Datasheet: Multicomp  34753; farnell#: 1593431; ki_fp_filters: Connector*:*_??x*mm* Connector*:*1x??x*mm* Pin?Header?Straight?1X* Pin?Header?Angled?1X* Socket?Strip?Straight?1X* Socket?Strip?Angled?1X*
J1101-J1104 J2003-J2006 J3003-J3006 J4003-J4006 = -: Datasheet: Multicomp  2211S-02G; farnell#: 1593411; ki_fp_filters: Connector*:*_??x*mm* Connector*:*1x??x*mm* Pin?Header?Straight?1X* Pin?Header?Angled?1X* Socket?Strip?Straight?1X* Socket?Strip?Angled?1X*
J2002 J3002 J4002 = -: Datasheet: Multicomp  2211S-03G; farnell#: 1593412; ki_fp_filters: Connector*:*_??x*mm* Connector*:*1x??x*mm* Pin?Header?Straight?1X* Pin?Header?Angled?1X* Socket?Strip?Straight?1X* Socket?Strip?Angled?1X*
L1200 L2000 L3000 L4000 = -: Datasheet: 963-NRS5030T2R2NMGJV; mouser#: 963-NRS5030T2R2NMGJV; ki_fp_filters: Choke_* *Coil* Inductor_* L_*
P1000 P1001 P2000 P3000 P4000 = -: ki_fp_filters: Current-Probe*
